# KiCad board RadCheck-SDRAM.kicad_pcb (continued)
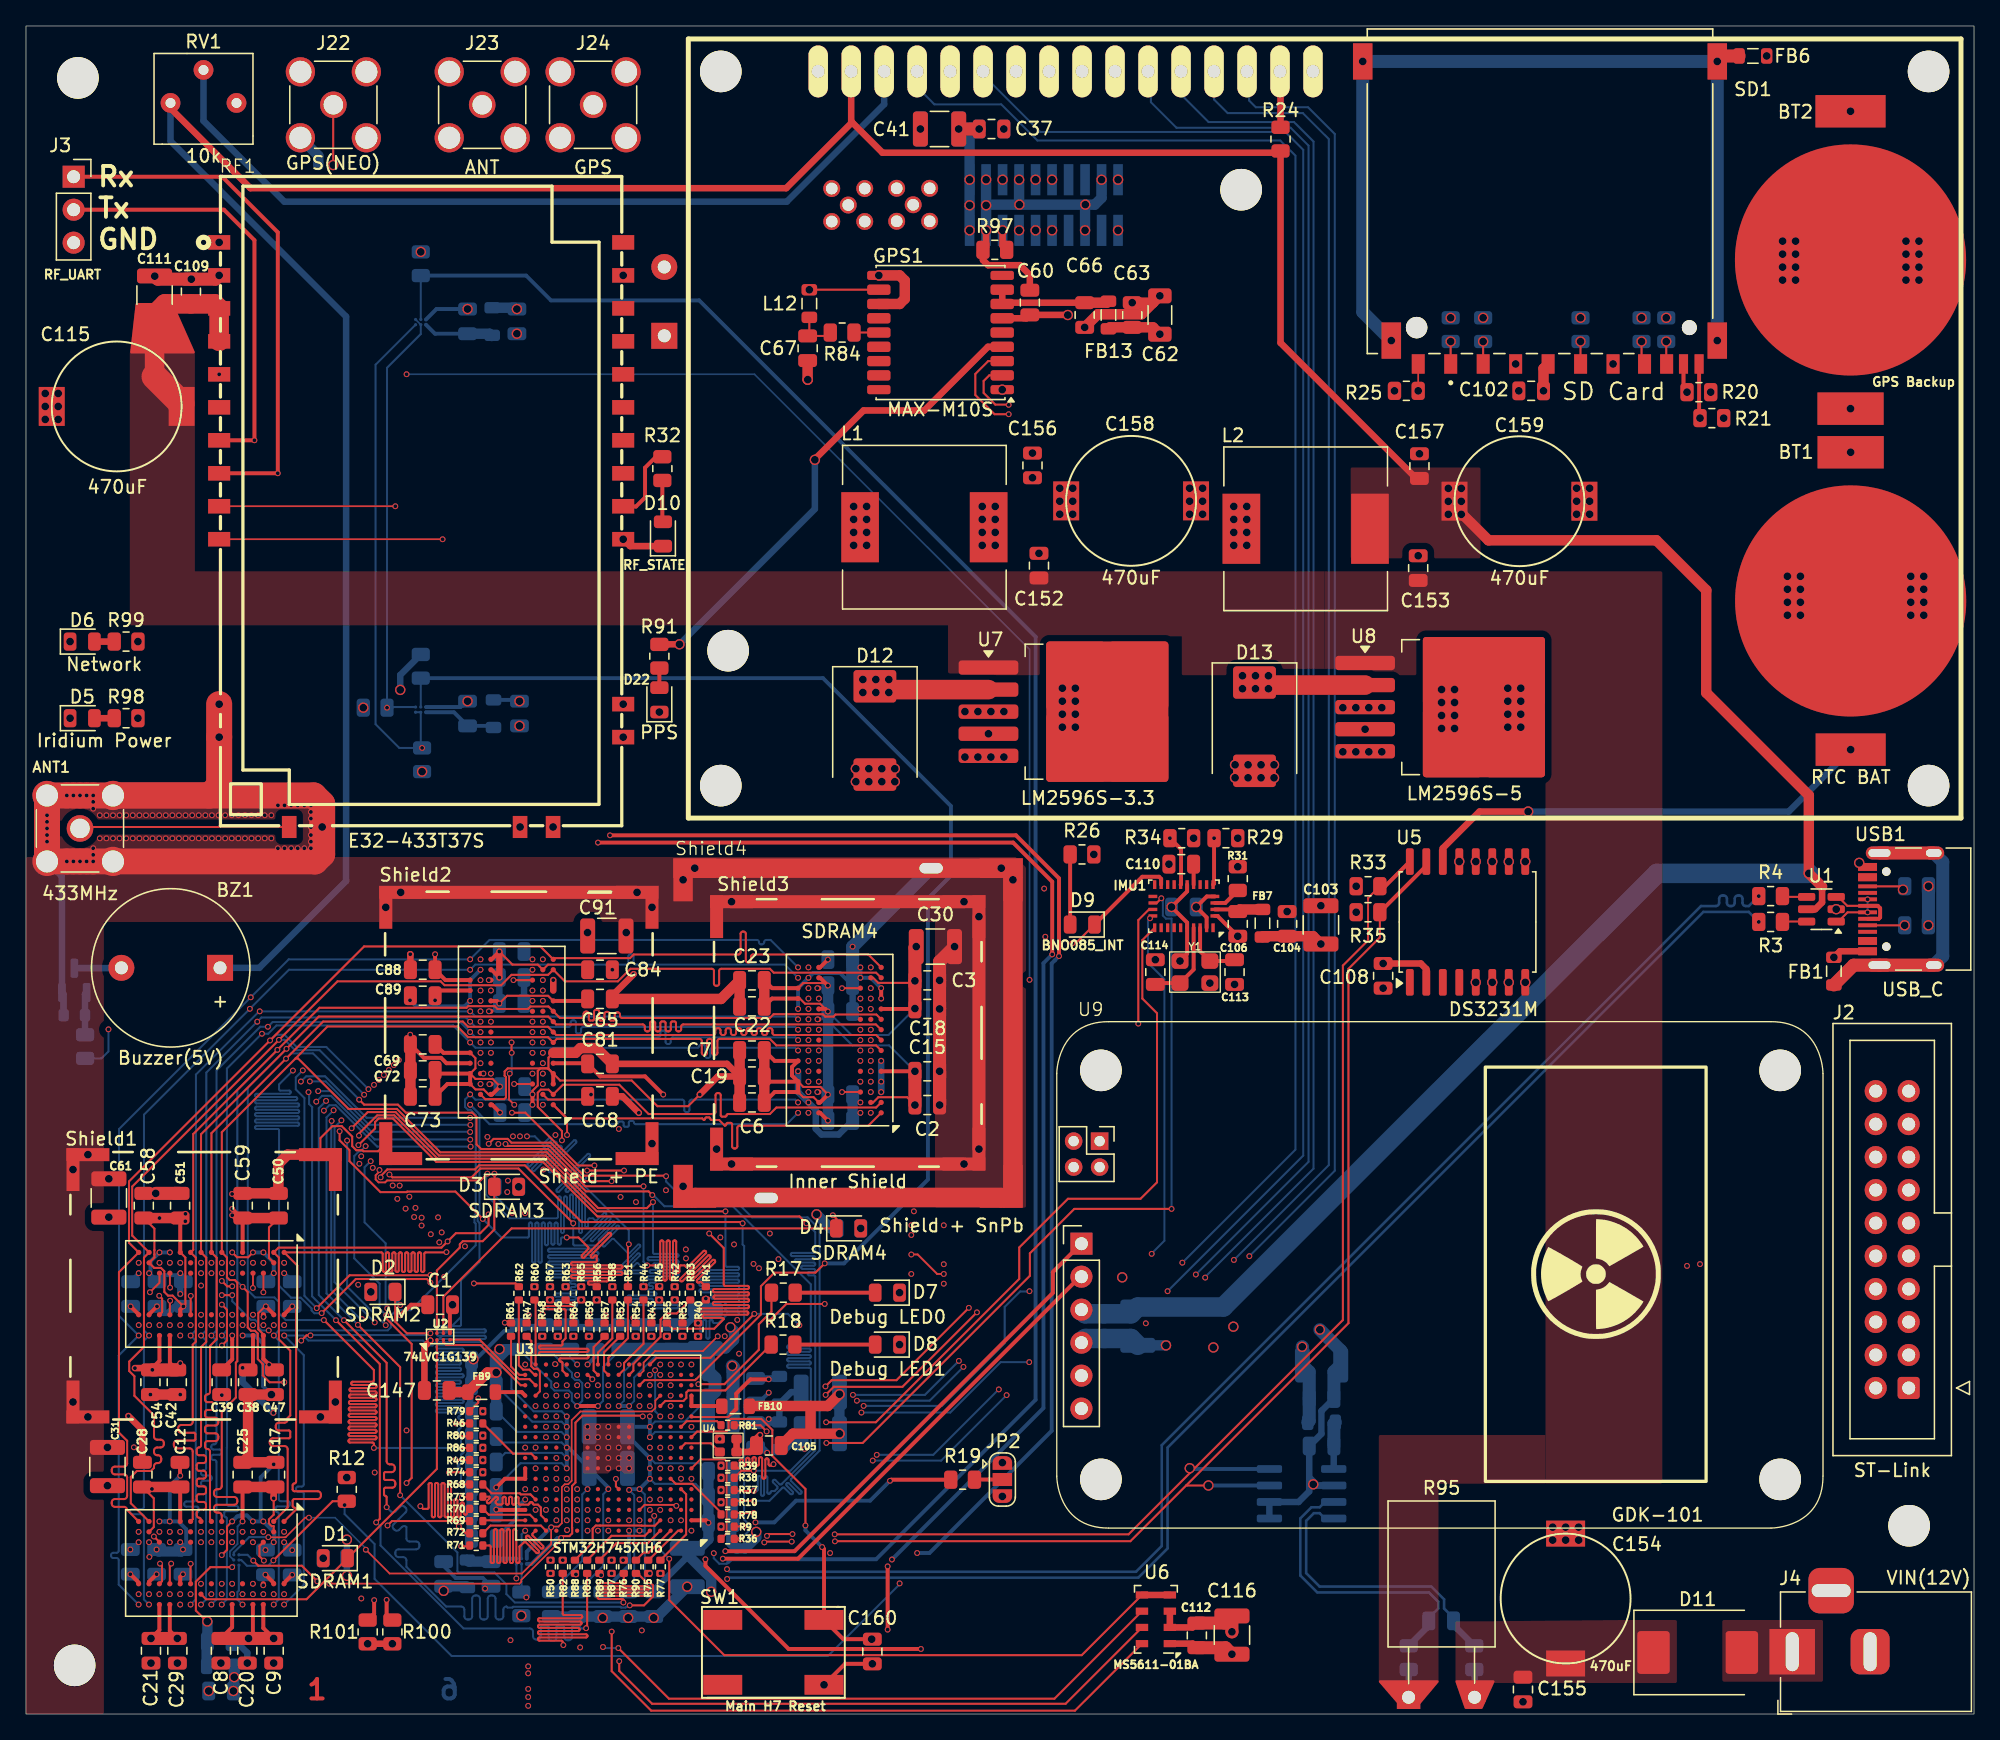
[diagram p0: board, top side]
## Routing (per net, layer and track width the routed paths; a pad name or vN(x,y) marks a point on that pad's centre or on a via; arc(x,y) is an arc through that point) (continued)
+3.3VA: length 12.3
  In4.Cu w0.3: v1(57.19,22.71) 56.6,22.12 v1(51.24,22.12)
  Bottom w0.5: v1(57.19,22.71) 57.41,22.5 FB11.1 FB8.1 58.92,24.79 C120.1 ; C146.1 57.96,22.44
+5V: length 353.9
  Top w0.5: DS1.2 63.54,122.65 63.61,122.58 ; 138.3,63.72 138.3,62.51 137.77,61.98 U1.5 ; 63.61,122.58 65.95,120.24 96.47,120.24 ; 63.61,122.58 58.54,117.51 17.28,117.51 11.13,123.66 ; R24.2 96.6,105.6 107.05,95.15
  Top w0.8: 110.6,92.4 112.61,90.39 125.54,90.39 129.38,86.55 129.38,78.65 137.28,70.75 v2(137.28,64.74) 138.3,63.72
  Top w1: v2(71.82,122.06) v2(73.39,122.06)
  In3.Cu w0.8: v2(103.11,75.84) 104.38,75.84 109.52,80.98 109.52,92.32
  Bottom w0.5: RV1.1 11.13,121.14 24.65,107.62 24.65,64.15 17.96,57.46 BZ1.1
  Bottom w0.8: v2(72.66,114.26) v2(72.66,116.19) v2(72.66,118.16) 72.66,121.98 72.74,122.06
  Bottom w1: v2(73.39,122.06) v2(71.82,122.06)
  Bottom w1.5: v2(137.28,64.74) 125.59,64.74 92.19,31.34 C100.1 85.08,30.82 C101.1 81.57,30.82 81.25,31.14
  vias: v2(109.52,94.39) v2(109.52,93.39) v2(109.52,92.39) v2(110.52,94.39) v2(110.52,93.39) v2(110.52,92.39)
+12V: length 17.8
  Top w1.5: RF1.4 RF1.3 14.53,108.6 C109.1 10.7,108.6 C111.1 9.9,103
  Top w2: 9.9,103 11.98,100.92
  Bottom w0.5: 106.47,1.38 R94.2
GND: length 883.6
  Top w0.157: v1(15.88,35.55) 16.25,35.18 17.11,35.18 v1(17.48,35.55) ; v1(15.09,28.38) 15.47,28.77 15.47,31.14 v1(15.08,31.53) ; v1(15.08,33.35) 15.49,32.94 v1(15.88,32.94) ; v1(39,47.72) 39,48 39.41,48.41 39.41,49.53 39.61,49.73 40.19,49.73 40.23,49.69 ; SDRAM3.D1 41.13,48.79 46.64,48.79 48.62,46.81 50.98,46.81 v1(51.88,47.71) ; SDRAM3.D1 40.23,49.69 ; SDRAM3.D1 40.2,49.72 37.09,49.72 36.86,49.48 36.86,49.16 36.96,49.05 36.96,47.48 36.83,47.35 35.37,47.35 SDRAM3.B8 ; Shield2.1 27.12,43.34 25.99,43.34 25.91,43.42 25.43,43.42 25.12,43.73 25.12,44.47 24.31,45.27 23.59,45.27 22.67,44.35 Shield1.1 ; 40.23,49.69 40.23,50.55 SDRAM3.F1 ; v1(15.07,12.24) 15.48,12.65 15.48,14.44 v1(15.87,14.83)
  Top w0.3: IMU1.10 89.41,63.35 v2(88.21,62.15) 89.41,60.95 IMU1.25 89.41,58.54 v2(88.86,57.99) ; v1(65.85,55.9) v1(65.85,55.1) ; SDRAM3.E9 32.37,50.12 31.96,50.53 30.64,50.53 C69.2 29.6,52.31 v1(29.59,52.32) ; C12.2 11.86,18.37 v1(11.88,18.35) ; v1(39,47.72) v1(39,46.92) ; 65.1,3.87 63.07,3.87 v2(61.45,2.25) ; IMU1.2 91.75,61.46 v2(93.31,59.9) ; SDRAM3.D1 SDRAM3.C1 ; U2.4 v1(31.14,28.78) ; C1.1 29.65,31.52 v1(28.83,30.7) ; v1(15.87,40.05) 16.65,40.05
  Top w0.5: v2(26.31,5.41) v2(28.21,5.41) ; v1(29.59,58.51) 29.6,58.5 C88.2 ; v2(73.93,114.26) 73.93,113 ; v2(139.21,58.27) 139.67,58.74 USB1.A1 ; C60.1 77.3,110.83 76.55,111.58 74.08,111.58 73.69,111.97 R97.1 ; U6.3 U6.2 89.82,6.67 C112.2 ; C68.2 45.92,47.57 v1(47.19,46.3) ; 141.47,65.24 v2(141.16,65.55) ; 31.14,28.75 30.68,28.29 C147.2 ; C81.2 53.98,50.07 C19.2 53.27,49.1 v1(51.88,47.71) ; D10.1 46.52,89.94 v2(45.99,90.47) ; SDRAM3.M1 v1(40.6,56.52) ; v1(7.89,22.95) 8.97,21.87 C28.2 ; 45.15,55.33 v1(46.79,56.97) ; C58.2 v2(9.99,40.1)
  Top w0.8: SDRAM3.F1 42.32,50.92 42.69,51.28 43.94,51.28 C81.2 ; 60.41,21.59 60.41,23.72 ; 60.41,21.59 59.06,21.59 C105.2 ; 60.41,21.59 v2(62.64,21.59) ; 60.41,23.72 61.73,23.72 v2(62.64,24.63) ; 60.41,23.72 55.66,23.72 ; C17.2 C25.2 17.1,19.8 C38.2 C47.2 ; C69.2 C73.2 ; C22.2 C23.2 53.52,55.07 C65.2 ; v2(60.19,102.76) 60.19,102.77 C67.2 ; C6.2 C7.2 ; v1(9.58,24.6) C42.2 ; v2(81.52,106.79) 82.53,107.8 85.89,107.8 86.78,108.69 ; GPS1.12 67.27,108.59 67.67,108.99 67.67,110.39 67.27,110.79 v2(65.67,110.79) ; Shield1.1 20.15,43.08 19.44,42.37 C50.2 C59.2 ; 86.78,108.69 v2(87.31,109.22) ; 86.78,108.69 v2(85.18,108.69)
  Top w1: v2(73.38,43.51) v2(73.38,61.41) ; C109.2 10.15,110.5 v2(9.91,110.73) ; v2(54.33,62.56) v2(72.23,62.56) ; v2(14.88,110.79) 14.58,110.5 v2(12.73,110.5) ; C112.2 92.31,7.01 C116.2 92.86,6.33 v2(92.86,6.33) ; C51.2 v2(9.99,40.1) ; v2(54.33,42.36) v2(72.23,42.36) ; v2(71.5,59.1) 70.35,57.95 v2(70.35,56.5) v2(70.35,54.3) v2(70.35,46.9) v2(70.35,49.5) ; v2(47.05,63.28) v2(28.85,63.28)
  Top w1.5: Shield4.1 51.53,39.78 75.06,39.78 Shield4.1 ; v2(75.1,65.14) v2(51.5,65.14) ; Shield4.1 v2(76,64.24)
  Top w2: ANT1.2 14.14,70.74 14.88,71.48 v2(14.88,75.23) v2(14.88,77.77) ; ANT1.2 v1(5.18,70.74) v1(4.67,70.74) v1(4.16,70.74) v1(3.65,70.74) v1(3.14,70.74) ANT1.2 v1(1.62,69.22) v1(1.62,68.71) v1(1.62,68.2) v1(1.62,67.69) v1(1.62,67.18) ANT1.2 v1(3.14,65.66) v1(3.65,65.66) v1(4.16,65.66) v1(4.67,65.66) v1(5.18,65.66) ANT1.2 22.26,65.66 22.81,66.21 v2(22.81,68.31) 22.81,70.09 22.16,70.74 ANT1.2
  In1.Cu w0.127: SBD1.23 71.76,117.5 72.09,117.17 73.49,117.17 73.93,116.73 v2(73.93,116.19) 73.99,116.13 73.99,115.5 73.71,115.22 71.93,115.22 71.67,114.96 SBD1.23 ; v2(73.93,118.16) 73.93,119.8 72.61,121.12 72.61,123.15 71.16,124.6
  In1.Cu w0.142: v1(50.44,14.92) 51.52,16 51.52,17.84 v1(51.24,18.12) ; v1(40.04,22.92) v1(39.24,23.72) 39.24,26.12 v1(38.44,26.92) ; v1(43.24,22.12) 42.85,22.51 42.85,25.71 v1(42.44,26.12) ; v1(44.84,22.12) 45.25,22.53 45.25,24.93 v1(45.64,25.32) 46.03,24.93 46.03,20.91 v1(45.64,20.52)
  In1.Cu w0.157: v1(40.04,22.92) 40.43,22.53 42.83,22.53 v1(43.24,22.12) ; v1(45.64,20.52) 46.05,20.11 49.23,20.11 v1(49.64,20.52) ; v1(44.04,22.12) 43.65,21.73 40.43,21.73 v1(40.04,22.12) ; v1(44.04,15.72) 43.65,16.11 43.65,16.67 43.4,16.91 42.07,16.91 42.05,16.89 ; v1(44.04,15.72) 44.45,16.13 44.45,18.53 v1(44.84,18.92) ; v1(44.04,15.72) 44.45,15.31 46.85,15.31 v1(47.24,14.92) ; v1(49.64,20.52) 49.64,21.79 48.9,22.53 45.25,22.53 ; v1(49.64,20.52) 49.53,20.63 49.53,21.25 49.07,21.71 45.23,21.71 v1(44.84,21.32) ; v1(49.64,20.52) 49.25,20.91 45.23,20.91 v1(44.84,20.52) ; v1(46.44,18.92) 46.83,18.53 50.03,18.53 v1(50.44,18.12) ; 42.05,16.89 42.05,18.53 v1(44.04,20.52) 43.65,20.13 39.63,20.13 v1(39.24,20.52) ; 42.05,16.89 42.05,16.13 v1(41.64,15.72) 41.25,15.33 39.63,15.33 v1(39.24,15.72) 38.85,16.11 38.85,18.53 v1(39.24,18.92) ; v1(50.44,18.92) 50.05,19.31 46.05,19.31 v1(45.64,19.72) ; v1(48.84,25.32) 48.43,25.73 47.88,25.73 47.61,25.99 47.61,27.29 47.72,27.4 ; v1(40.04,21.32) 40.43,20.93 43.65,20.93 v1(44.04,21.32)
  In1.Cu w0.3: v1(15.88,35.55) 15.42,36.02 15.42,39.59 v1(15.87,40.05) ; v1(9.48,33.95) v1(8.68,33.95) ; v2(54.38,26.81) 54.27,26.92 v1(51.24,26.92) 50.76,27.4 47.72,27.4 v1(45.64,25.32) 44.52,26.44 42.76,26.44 v1(42.44,26.12) ; v1(28.83,30.7) 29.1,30.7 31.02,28.78 v1(31.14,28.78)
  In1.Cu w0.5: 57.57,18.01 56.69,18.89 56.69,19.74 v1(57.07,20.12) ; 57.57,18.01 59.57,18.01 62.64,21.08 v2(62.64,21.59) 62.64,20.11 56.56,14.03 v2(56.23,14.03) ; 57.57,18.01 55.26,18.01 54.9,18.37 54.9,20.19 53.91,21.18 v1(53.41,21.18) 51.24,19 v1(51.24,18.12)
  In2.Cu w0.3: v1(29.57,54.96) 29.59,54.94 v1(29.59,52.32)
  In3.Cu w0.157: v1(15.08,24.56) 14.69,24.95 14.69,27.98 v1(15.09,28.38) ; v1(15.08,33.35) 13.84,33.35 v1(13.48,33) ; v1(15.08,31.53) 15.49,31.94 15.49,32.55 v1(15.88,32.94)
  In3.Cu w0.3: v1(39,57.32) v1(39,58.12)
  In3.Cu w0.5: v1(47.19,46.3) 50.47,46.3 v1(51.88,47.71)
  In4.Cu w0.157: v1(13.48,33) 12.53,33 v1(11.88,32.35)
  In4.Cu w0.3: v1(57.19,24.75) 58.14,25.69 61.89,25.69 62.64,24.95 v2(62.64,24.63) ; v1(9.58,24.6) 10.2,25.22 10.2,29.23 v1(9.48,29.95) ; v1(51.24,14.12) v1(50.44,14.92) ; v1(35,57.32) v1(39,57.32) 39.8,57.32 v1(40.6,56.52) ; 29.84,32.73 29.4,32.73 28.36,31.69 28.36,31.18 v1(28.83,30.7) ; v1(19.08,29.95) 19.88,30.75 v1(19.88,33.95) v1(19.08,33.95) ; v1(11.88,24.6) 11.88,25.27 12.34,25.74 12.34,27.21 11.88,27.68 v1(11.88,29.15)
  Bottom w0.157: Temp1.B2 38.16,13.84 v1(38.44,14.12) ; Temp1.A1 37.76,10.45 v1(37.76,10.44) ; v1(16.67,8.43) 16.28,8.83 16.28,9.39 16.39,9.5 16.39,11.45
  Bottom w0.3: v1(39,54.92) 38.55,54.92 ; 20.5,33.33 v1(19.88,33.95) ; 10.68,14.83 v1(11.07,14.83) 11.07,17.55 v1(11.88,18.35) ; 10.68,14.83 v1(10.27,14.83) ; 10.68,14.83 11.73,14.83 12.34,14.22 12.34,12.92 ; v1(18.27,14.83) v1(17.47,14.83) 17.01,15.3 16.48,15.3 16.41,15.23 16.27,15.23 v1(15.87,14.83) ; v1(18.27,14.83) 19.13,13.98 19.13,13.28 v1(19.07,13.23) 18.47,12.63 ; v1(18.27,14.83) 18.07,15.03 18.07,18.23 v1(19.07,19.23) ; v1(16.68,29.15) 17.63,29.15 18.26,28.52 18.26,27.59 18.26,27.59 18.26,25.24 v2(18.9,24.6) ; v1(17.48,35.55) v1(18.28,35.55) 19.08,34.75 v1(19.08,33.95) 18.47,33.34 ; C118.2 37.46,29.49 36.82,29.49 34.66,27.32 ; 32.16,11.4 33.09,10.48 35.17,10.48 C94.2 ; 10.06,12.66 v1(9.5,12.1) ; v1(35,57.32) 34.2,56.52 v1(34.2,54.92) 33.78,54.5 30.04,54.5 v1(29.57,54.96) ; 56.39,23.94 v1(57.19,24.75) ; 10.09,33.34 v1(9.48,33.95) ; 8.06,33.33 v1(8.68,33.95) ; v1(11.08,35.55) v1(10.28,35.55) 9.59,34.86 9.59,33.79 C55.2 10.59,33.79 11.62,33.79 C46.2 12.12,33.71 v1(11.88,33.95) ; C10.2 62.69,57.06 60.61,57.06 v1(60.25,56.7) 59.45,55.9 v1(59.45,54.3) ; Temp3.A1 33.45,77.55 v2(34,78) ; 12.09,13.02 v1(11.87,13.23) ; 8.11,12.67 v1(8.67,13.23) ; v1(64.25,57.5) v1(64.25,56.7) 65.05,56.7 v1(65.85,55.9) ; 20.49,12.62 v1(19.87,13.23) ; 10.04,12.67 v1(9.47,13.23) ; Temp4.A1 31.61,108.2 v2(34,108.2)
  Bottom w0.5: 98.81,18.23 98.81,17.15 97.99,16.33 U10.2 U10.1 ; 98.81,18.23 99.44,17.6 U10.6 99.21,17.6 v2(99.12,17.69) ; 98.81,18.23 C52.2 99.75,21.58 99.75,23.34 C53.2 ; v1(65.85,48.7) v1(65.85,47.9) v1(65.85,50.3) ; C27.2 62.58,44.63 61.25,44.63 60.81,45.07 60.81,46.53 v1(60.25,47.1) 59.45,47.9 v1(59.45,49.5) ; 51.95,31.11 50.83,29.99 C119.2 ; v1(11.88,32.35) 11.88,33.05 ; 34.31,24.81 34.2,24.7 34.2,23.44 ; R93.1 2.89,55.44 Q1.2 2.77,63.52 2.75,63.54 2.75,64.53 ANT1.2 ; v1(57.07,20.12) 56.64,20.54 ; C95.2 16.19,5.57 17.04,4.72 v2(17.04,3.92) ; 38.15,29.8 49.53,29.8 ; C76.2 C77.2 ; C10.2 C11.2
  Bottom w0.8: C100.2 87.77,28.39 v2(87.78,28.39) ; 48.62,7.51 v2(50.91,9.81) ; C134.2 54.45,14.39 54.3,14.25 54.3,13.17 54.72,12.75 55.38,12.75 56.23,13.6 v2(56.23,14.03) ; 34.38,27.25 v2(34.45,27.32) ; v2(73.93,118.16) 73.93,116.24 ; 73.93,116.24 v2(73.93,116.19) v2(73.93,114.26) ; 73.93,116.24 76.35,116.24 ; 81.65,116.24 82.3,116.24 82.82,116.76 v2(82.82,118.16) ; 81.65,116.24 v2(81.57,116.24) v2(76.49,116.24) 76.35,116.24 ; 81.65,116.24 81.55,116.14 v2(81.55,114.26) ; C27.2 C14.2 ; 76.35,116.24 76.47,116.36 v2(76.47,118.16) ; D21.1 22.51,120.01 J22.2 ; C126.2 C117.1 ; 54.41,18.65 54.41,14.77 ; v1(10.06,12.67) 10.21,12.52 11.94,12.52 v1(12.09,12.67) ; C142.2 C141.2 ; C127.1 C125.2 ; v2(62.64,21.59) v2(62.64,24.63)
  Bottom w1: C144.2 C145.2 C137.2 54.45,26.74 v2(54.38,26.81) ; C10.2 C26.2 v1(63.65,59.1) Shield4.1 ; C53.2 100.71,26.35 C56.2 101.23,28 v2(99.63,29.6) ; v2(146.49,63.75) 146.49,60.74
  Bottom w1.5: C100.2 85.08,28.92 C101.2 81.57,28.92 81.25,28.6
  vias: v1(5.17,70.25) v1(5.18,69.72) v1(5.18,66.68) v1(5.18,66.17) v1(5.68,69.22) v1(5.68,67.44) v1(6.19,69.22) v1(6.19,67.44) v1(6.7,69.22) v1(6.7,67.44) v1(7.21,69.22) v1(7.21,67.44) v1(7.72,69.22) v1(7.72,67.44) v1(8.03,12.67) v1(8.22,69.22) v1(8.22,67.44) v1(8.73,69.22) v1(8.73,67.44) v1(9.24,69.22) v1(9.24,67.44) v1(9.47,9.23) v1(9.75,69.22) v1(9.75,67.44) v1(10.26,69.22) v1(10.26,67.44) v1(10.76,69.22) v1(10.76,67.44) v1(11.27,69.22) v1(11.27,67.44) v1(11.78,69.22) v1(11.78,67.44) v1(11.87,8.43) v1(12.29,69.22) v1(12.29,67.44) v1(12.8,69.22) v1(12.8,67.44) v1(13.3,69.22) v1(13.3,67.44) v1(13.81,69.22) v1(13.81,67.44) v1(14.32,69.22) v1(14.32,67.44) v1(14.83,69.22) v1(14.83,67.44) v1(15.34,69.22) v1(15.34,67.44) v1(15.84,69.22) v1(15.84,67.44) v1(16.35,69.22) v1(16.35,67.44) v1(16.86,69.22) v1(16.86,67.44) v1(17.37,69.22) v1(17.37,67.44) v1(17.88,69.22) v1(17.88,67.44) v1(18.38,69.22) v1(18.38,67.44) v1(18.44,12.63) v1(18.89,69.22) v1(18.89,67.44) v1(19.07,9.23) v1(19.4,69.98) v1(19.4,66.68) v1(19.91,69.98) v1(19.91,66.68) v1(20.42,69.98) v1(20.42,66.68) v1(20.5,12.62) v1(20.92,69.98) v1(20.92,66.68) v1(21.43,69.98) v1(21.43,66.68) v1(21.94,69.98) v1(21.94,69.47) v1(21.94,68.96) v1(21.94,68.3) v1(21.94,67.69) v1(21.94,67.18) v1(21.94,66.68) v1(35.35,9.66) v1(38.44,20.52) v1(43.24,21.32) v1(44.84,19.72) v1(45.15,57.32) v1(45.64,18.92) v1(46.44,19.72) v1(64.25,54.3) v1(64.25,47.1) v1(64.25,46.3) v1(86.23,30.09) v2(1.48,101.7) v2(1.48,100.7) v2(1.48,99.7) v2(2.48,101.7) v2(2.48,100.7) v2(2.48,99.7) v2(3.39,82.59) v2(3.39,76.69) v2(3.62,41.93) v2(3.62,24.03) v2(4.77,43.08) v2(4.77,22.88) v2(6.27,20.53) v2(6.38,41.22) v2(9.63,3.92) v2(11.66,3.92) v2(14.07,1.77) v2(14.88,113.33) v2(15.01,3.92) v2(19.07,3.92) v2(22.67,22.88) v2(23.82,24.03) v2(27.7,62.13) v2(37.8,106.3) v2(38,76.1) v2(38.05,68.31) v2(40.59,68.31) v2(44.41,7.41) v2(45.99,110.79) v2(45.99,77.77) v2(45.99,75.23) v2(46.22,60.18) v2(46.37,7.41) v2(48.2,62.13) v2(48.2,43.93) v2(48.34,7.41) v2(48.77,77.16) v2(50.6,64.24) v2(50.6,40.64) v2(53.18,43.51) v2(63.9,72.8) v2(63.9,71.8) v2(64.9,72.8) v2(64.9,71.8) v2(65.17,3.87) v2(65.9,72.8) v2(65.9,71.8) v2(66.9,72.8) v2(66.9,71.8) v2(67.27,32.45) v2(67.27,28.45) v2(68.87,122.06) v2(72.3,77.2) v2(72.3,73.7) v2(73.3,77.2) v2(73.3,73.7) v2(74.3,77.2) v2(74.3,73.7) v2(75.17,101.99) v2(75.18,16.76) v2(75.3,122.06) v2(75.3,77.2) v2(75.3,73.7) v2(77.5,97.11) v2(78,89.39) v2(79.8,79) v2(79.8,78) v2(79.8,77) v2(79.8,76) v2(80.8,79) v2(80.8,78) v2(80.8,77) v2(80.8,76) v2(84.41,33.63) v2(86.96,58.09) v2(88.01,65.45) v2(89.6,94.4) v2(89.6,93.4) v2(89.6,92.4) v2(90.6,94.4) v2(90.6,93.4) v2(90.6,92.4) v2(91.16,56.29) v2(91.43,28.23) v2(92.97,29.83) v2(93.1,73.1) v2(93.1,72.1) v2(93.06,56.19) v2(94.1,73.1) v2(94.1,72.1) v2(95.1,73.1) v2(95.1,72.1) v2(96.1,73.1) v2(96.1,72.1) v2(97.11,61.8) v2(99.71,62.25) v2(101.4,77.5) v2(101.4,74.1) v2(102.4,77.5) v2(102.4,74.1) v2(103.4,77.5) v2(103.4,74.1) v2(104.4,77.5) v2(104.4,74.1) v2(104.5,55.9) v2(107.2,89.2) v2(107.3,97.05) v2(109,78.9) v2(109,77.9) v2(109,76.9) v2(109,75.9) v2(110,78.9) v2(110,77.9) v2(110,76.9) v2(110,75.9) v2(110.37,65.65) v2(111.63,65.65) v2(111.63,56.35) v2(112.91,65.65) v2(112.91,56.35) v2(114.1,79) v2(114.1,78) v2(114.1,77) v2(114.1,76) v2(114.17,65.65) v2(114.17,56.35) v2(114.7,103.97) v2(114.95,101.9) v2(115.1,79) v2(115.1,78) v2(115.1,77) v2(115.1,76) v2(115.27,0.94) v2(115.44,65.65) v2(115.44,56.35) v2(117.56,14.39) v2(117.56,13.39) v2(118.56,14.39) v2(118.56,13.39) v2(119.4,94.4) v2(119.4,93.4) v2(119.4,92.4) v2(119.56,14.39) v2(119.56,13.39) v2(120.4,94.4) v2(120.4,93.4) v2(120.4,92.4) v2(122.2,103.97) v2(134.03,127.69) v2(135.26,113.43) v2(135.26,112.43) v2(135.26,111.43) v2(135.26,110.43) v2(135.63,87.62) v2(135.63,86.62) v2(135.63,85.62) v2(135.63,84.62) v2(136.26,113.43) v2(136.26,112.43) v2(136.26,111.43) v2(136.26,110.43) v2(136.63,87.62) v2(136.63,86.62) v2(136.63,85.62) v2(136.63,84.62) v2(139.39,61.98) v2(144.76,113.43) v2(144.76,112.43) v2(144.76,111.43) v2(144.76,110.43) v2(145.13,87.62) v2(145.13,86.62) v2(145.13,85.62) v2(145.13,84.62) v2(145.76,113.43) v2(145.76,112.43) v2(145.76,111.43) v2(145.76,110.43) v2(146.13,87.62) v2(146.13,86.62) v2(146.13,85.62) v2(146.13,84.62) v2(146.48,60.74)
/Power/INA_N: length 22
  Bottom w0.2: 100.02,16.33 99.61,15.92 98.98,15.92 98.12,15.06 98.12,10.67 99.43,9.37 108.03,9.37 108.74,8.65 108.74,8.13 108.02,7.4
  Bottom w0.5: 108.02,6.8 R94.1
/Power/INA_P: length 21.3
  Bottom w0.2: 100.02,15.06 99.61,15.47 99.17,15.47 98.58,14.88 98.58,10.85 99.61,9.81 108.21,9.81 109.19,8.83 109.19,8.13 109.92,7.4
  Bottom w0.5: 109.92,6.85 R96.2
AS6221_SCL: length 188
  Top w0.127: 47.43,22.98 v1(47.49,22.92) ; v1(23.36,10.04) 38,10.04 38.14,10.18 38.14,10.33 41.21,13.4 v1(41.21,13.56)
  Top w0.157: v1(41.21,13.56) 41.35,13.7 41.84,13.7 42.06,13.92 42.06,14.35 42.05,14.36 42.05,17.57 42.31,17.83 42.31,22.44 42.85,22.98 47.43,22.98 ; v1(22.43,10.23) 21.24,11.42 17.89,11.42 v1(17.5,11.81)
  In3.Cu w0.157: v1(47.49,22.92) 47.49,22.93 47.88,23.31 48.19,23.31 48.43,23.56 48.43,23.88 48.68,24.13 49.25,24.13 v1(49.64,24.52)
  In3.Cu w0.3: v1(27.8,77.5) 27.8,66.19 26.53,64.92 19.2,64.92 2.4,48.12 2.4,11 6.94,6.46 20.11,6.46 23.36,9.72 v1(23.36,10.04)
  Bottom w0.127: v1(23.36,10.04) 22.62,10.04 v1(22.43,10.23)
  Bottom w0.129: Temp4.C1 Temp4.B2
  Bottom w0.157: Temp3.C1 27.85,77.55 ; Temp2.C1 17.06,12.26 v1(17.5,11.81) ; Temp4.B2 30.4,106.28 27.8,103.68 v1(27.8,77.5)
  Bottom w0.3: Temp1.C1 38.93,11.56 40.93,13.56 v1(41.21,13.56)
AS6221_SDA: length 195.9
  Top w0.127: v1(18.66,13.62) 18.67,13.61 19.99,13.61 21.5,15.12 v1(21.79,15.12) ; U3.P4 48.46,24.14 48.46,23.57 48.19,23.3 42.69,23.3 42.02,22.63 42.02,17.96 41.75,17.7 41.48,17.7 41.26,17.48 41.26,14.69 41,14.44 40.49,14.44 v1(40.44,14.38) 40.44,13.08 38.18,10.82 28,10.82 v1(26.17,12.65)
  In3.Cu w0.3: v1(21.79,15.12) 21.97,14.94 21.97,9.04 20.7,7.77 6.83,7.77 2.98,11.62 2.98,48.02 19.28,64.32 27.32,64.32 29.15,66.14 29.15,73.05 v1(30.5,74.4)
  Bottom w0.127: v1(26.17,12.65) 26.17,12.75 23.8,15.12 v1(21.79,15.12)
  Bottom w0.157: v1(30.5,74.4) 28.74,74.4 26.92,76.23 26.92,103.91 Temp4.C2 ; v1(18.66,13.62) 18.65,13.63 17.19,13.63 16,12.44 Temp2.C2 ; Temp3.C2 Temp3.B2 30.4,74.5
  Bottom w0.3: v1(40.44,14.38) 38.56,12.5 Temp1.C2
Barometer_CS: length 53.2
  Top w0.157: U6.5 81.29,4.53 53.77,4.53 49.53,8.77 v1(49.53,11.95)
  Top w0.5: U6.5 U6.4
  In4.Cu w0.157: v1(44.84,14.12) 45.25,14.53 47.65,14.53 v1(48.38,15.26)
  Bottom w0.157: v1(48.38,15.26) 48.38,13.1 v1(49.53,11.95)
Barometer_MISO: length 55.5
  Top w0.157: U6.6 79.19,1.18 49.51,1.18 v1(45.61,5.08)
  In2.Cu w0.157: v1(44.43,5.16) 44.42,5.17 44.42,6.59 43.84,7.17 43.84,7.64 44.07,7.87 44.07,10.35 43.89,10.53 43.89,10.85 44.17,11.13 44.17,13.99 v1(44.04,14.12)
  Bottom w0.157: v1(45.61,5.08) 44.51,5.08 v1(44.43,5.16)
Barometer_MOSI: length 58.3
  Top w0.157: v1(45.68,4.07) 45.68,3.32 48.21,0.79 80.05,0.79 U6.7
  In2.Cu w0.157: v1(43.24,15.72) 43.63,15.33 43.63,13.09 43.52,12.98 43.52,4.49 43.94,4.07 v1(45.68,4.07)
Barometer_SCK: length 56.3
  Top w0.157: U6.8 80.77,0.26 48.14,0.26 45.1,3.3 v1(45.1,6.35)
  In2.Cu w0.157: v1(45.1,6.35) 45.1,10.26 44.7,10.67 44.7,13.42 44.45,13.67 44.45,14.53 v1(44.84,14.92)
BNO085_CS: length 99.1
  Top w0.157: v1(85.65,53.17) 85.65,61.14 86.47,61.96 86.98,61.96
  In2.Cu w0.157: v1(47.42,6.44) 47.42,8.98 46.83,9.57 46.83,14.53 v1(46.44,14.92)
  In3.Cu w0.157: v1(85.65,53.17) 85.65,13.86 82.74,10.95 62.91,10.95 58.4,6.44 v1(47.42,6.44)
BNO085_INT: length 65.4
  Top w0.157: v1(80.57,59.36) 80.83,59.36 D9.1 ; v1(57.19,30.23) 58.55,31.58 v1(61.5,31.58)
  Top w0.3: IMU1.14 87.41,64.32 87.25,64.48 85.95,64.48 D9.1
  In3.Cu w0.157: v1(80.57,59.36) 78.91,59.36 73.71,54.16 73.71,45.27 61.5,33.07 v1(61.5,31.58)
  In4.Cu w0.157: v1(57.19,30.23) 55.66,28.7 49.98,28.7 48.44,27.16 v1(48.44,26.48)
  Bottom w0.157: v1(48.44,26.48) 48.45,26.48 48.45,23.31 v1(48.84,22.92)
BNO085_MISO: length 67.5
  Top w0.157: v1(61.61,22.47) 65.44,22.47 76.48,33.51 76.48,35.93 80.23,39.68 85.82,39.68 87.09,40.95 87.09,53.97 85.96,55.1 85.96,59.6 IMU1.20
  In4.Cu w0.157: v1(49.64,22.92) 50.06,23.34 60.74,23.34 v1(61.61,22.47)
BNO085_MOSI: length 72.6
  Top w0.157: IMU1.17 87.06,62.46 v1(87.42,62.82) ; v1(88.21,38.9) 80.72,38.9 77.3,35.48 77.3,33.75 64.42,20.88 v1(61.63,20.88)
  In1.Cu w0.157: v1(61.63,20.88) 59.4,23.11 50.63,23.11 v1(50.44,22.92)
  Bottom w0.157: v1(88.21,38.9) 88.21,61.26 87.78,61.26 87.54,61.49 87.54,62.71 v1(87.42,62.82)
BNO085_PS0: length 72.7
  Top w0.3: IMU1.6 91.48,63.95 v1(91.48,67.45)
  In2.Cu w0.157: v1(91.48,67.45) 90.53,66.5 85.13,66.5 v1(78.49,59.86)
  In3.Cu w0.157: v1(57.94,35.03) 58.01,35.1 62.69,35.1 63.62,36.03 63.62,38.7 64.08,39.16 65.81,39.16 72.76,46.11 72.76,54.13 v1(78.49,59.86)
  In4.Cu w0.157: v1(48.84,26.12) 49.23,26.51 49.23,27.08 50.52,28.37 55.89,28.37 57.94,30.42 v1(57.94,35.03)
BNO085_RST: length 71.1
  Top w0.3: IMU1.11 88.94,63.91 88.94,66.59 v1(88.08,67.45)
  In2.Cu w0.157: v1(88.08,67.45) 79.58,67.45 78.4,66.27 v1(78.4,63.57)
  In3.Cu w0.157: 51.11,28.05 49.97,28.05 v1(48.84,26.92) ; 51.11,28.05 51.28,28.05 ; 51.11,28.05 51.27,28.05 53.57,30.35 v1(54.77,30.35) ; v1(78.4,63.57) 78.4,60.8 72.08,54.48 72.08,46.4 65.31,39.63 63.89,39.63 63.21,38.95 63.21,36.18 62.61,35.58 57.69,35.58 v1(56.44,34.33)
  In4.Cu w0.157: v1(56.44,34.33) 54.77,32.66 v1(54.77,30.35)
BNO085_SCK: length 107.5
  Top w0.157: 86.73,61.46 v1(86.55,61.28)
  In2.Cu w0.157: v1(42.67,5.13) 42.11,5.13 41.49,5.75 41.49,11.45 42.44,12.4 v1(42.44,14.92)
  In3.Cu w0.157: v1(42.67,5.13) 43.12,5.58 58.28,5.58 63.27,10.57 83.73,10.57 86.68,13.52 v1(86.68,35.44)
  Bottom w0.157: v1(86.68,35.44) 86.68,35.47 87.66,36.45 87.66,56.59 86.39,57.85 86.39,61.12 v1(86.55,61.28)
BOOT0: length 29.7
  Top w0.157: v1(45.42,18.11) 45.42,17.53 U3.E8
  Top w0.3: v1(66.53,17.96) 66.62,18.05 R19.2
  In4.Cu w0.157: v1(56.17,14.76) 55.81,15.12 52.39,15.12 49,18.51 45.83,18.51 v1(45.42,18.11)
  Bottom w0.3: v1(56.17,14.76) 57.62,14.76 59.29,16.43 65,16.43 v1(66.53,17.96)
Buzzer: length 104.5
  Top w0.157: 43.27,26.12 v1(43.61,25.78)
  In2.Cu w0.157: v1(43.61,25.78) 43.63,25.76 43.63,25.16 43.39,24.91 40.67,24.91 40.45,24.69 40.45,24.36 40.2,24.11 39.88,24.11 39.63,23.87 39.63,19.91 35.75,16.03 35.75,15.1 34.66,14.01 30.44,14.01 25.82,9.39 v1(25.82,8.9)
  In3.Cu w0.157: v1(6.35,52.73) 6.33,52.73 1.82,48.22 1.82,10.57 7.15,5.24 22.13,5.24 25.79,8.9 v1(25.82,8.9)
  Bottom w0.157: R92.1 5.81,50.49 6.35,51.03 v1(6.35,52.73)
D4: length 151.9
  Top w0.157: v1(61.57,24.58) 62.2,25.2 67.49,25.2 v1(73.22,30.94)
  In1.Cu w0.157: v1(49.64,26.92) 52.45,24.11 61.11,24.11 v1(61.57,24.58)
  In4.Cu w0.157: v1(73.22,30.94) 74.47,32.18 77.1,32.18 77.11,32.17 77.43,32.17 77.44,32.18 87.73,32.18 87.74,32.17 88.07,32.17 88.08,32.18 88.41,32.18 v1(90.08,33.85)
  Bottom w0.157: v1(90.08,33.85) 98.76,42.53 98.76,120.78 97.38,122.16 88.59,122.16 86.62,124.13 86.62,126.28
D5: length 148.9
  In1.Cu w0.157: v1(49.64,26.12) 52.04,23.72 62.82,23.72 v1(63.68,24.58)
  In4.Cu w0.157: v1(90.8,33.61) 86.81,29.62 74.26,29.62 v1(71.83,27.19)
  Bottom w0.157: v1(90.8,33.61) 90.8,33.66 99.14,42 99.14,121.1 97.64,122.6 91.06,122.6 88.94,124.72 ; v1(71.83,27.19) 69.22,24.58 v1(63.68,24.58)
D6: length 152.3
  In4.Cu w0.157: v1(49.64,25.32) 50.9,24.06 63.91,24.06 v1(63.98,24.13) ; v1(93.01,34.97) 93.01,31.06 89.53,27.58 73.03,27.58 v1(72.19,26.73)
  Bottom w0.157: v1(72.19,26.73) 69.58,24.13 v1(63.98,24.13) ; DS1.13 91.48,124.34 92.53,123.29 98.32,123.29 100.32,121.29 100.32,42.28 v1(93.01,34.97)
D7: length 154.1
  In1.Cu w0.157: v1(64.33,23.22) 64.19,23.35 51.35,23.35 51.35,23.37 49.8,24.91 48.45,24.91 v1(48.04,25.32)
  In4.Cu w0.157: v1(94.2,35.26) 94.2,29.89 91.41,27.1 v1(77.25,27.1)
  Bottom w0.157: v1(64.33,23.22) 71.17,23.22 75.05,27.1 v1(77.25,27.1) ; 94.18,126.34 94.18,124.26 94.7,123.74 98.72,123.74 100.78,121.68 100.78,41.84 v1(94.2,35.26)
d+: length 3.5
  Top w0.157: v1(141.81,61.74) 140.26,61.74 139.55,61.03
  Bottom w0.157: v1(141.81,61.74) v1(141.81,62.74)
D+: length 127.7
  In4.Cu w0.135: v1(39.24,17.32) 38.83,17.73 38.06,17.73 37.42,17.1 37.42,16.17 40.87,12.72 49.35,12.72 51.51,10.56 53.83,10.56 v1(53.99,10.4)
  Bottom w0.2: v1(53.99,10.4) 54.09,10.5 85.65,10.5 87.91,12.76 87.91,20.52 129.16,61.77 132.65,61.77 v1(133.42,61)
d-: length 5.3
  Top w0.157: USB1.A7 140.24,62.24 139.55,62.93
  Top w0.3: USB1.A7 142.59,62.24 142.77,62.06 142.77,61.35 142.66,61.24 USB1.B7
D-: length 127.7
  In4.Cu w0.135: v1(38.44,17.32) 38.28,17.32 37.88,16.92 37.88,16.35 41.05,13.17 49.53,13.17 51.7,11.01 53.83,11.01 v1(53.98,11.16)
  Bottom w0.2: v1(133.42,62.99) 132.66,62.22 132.41,62.22 arc(132.24,62.3) 132.17,62.46 132.17,62.79 arc(132.1,62.96) 131.93,63.03 131.81,63.03 arc(131.64,62.96) 131.57,62.79 131.57,62.46 arc(131.5,62.3) 131.33,62.22 131.21,62.22 arc(131.04,62.3) 130.97,62.46 130.97,62.79 arc(130.9,62.96) 130.73,63.03 130.61,63.03 arc(130.44,62.96) 130.37,62.79 130.37,62.46 arc(130.3,62.3) 130.13,62.22 128.98,62.22 87.45,20.7 87.45,12.94 85.47,10.95 54.19,10.95 v1(53.98,11.16)
Debug_LED0: length 18.3
  Top w0.157: v1(51.77,25.4) 53.78,25.4 56.43,28.05 56.43,30.02 57.4,30.99 R17.1
  In3.Cu w0.157: v1(48.04,23.72) 47.94,23.72 47.54,23.33 47.27,23.33 47.09,23.15 47.09,22.77 47.33,22.53 48.2,22.53 48.43,22.76 48.43,23.07 48.68,23.31 49.79,23.31 51.77,25.3 v1(51.77,25.4)
Debug_LED1: length 10.7
  Top w0.157: U3.N4 49.23,24.11 50.62,24.11 50.85,24.34 50.85,24.77 51,24.92 53.85,24.92 R18.1
EN: length 162.8
  In4.Cu w0.157: v1(87.9,32.56) 87.9,32.57 77.28,32.57 v1(77.27,32.56) ; v1(49.64,23.72) 64.49,23.72 v1(64.5,23.73)
  Bottom w0.157: v1(87.9,32.56) 98.35,43.01 98.35,120.46 96.97,121.84 78.09,121.84 73.7,126.23 ; v1(64.5,23.73) 70.53,23.73 75.36,28.56 75.36,31.35 76.55,32.54 77.25,32.54 v1(77.27,32.56)
GDK101_Rx: length 54.2
  Top w0.3: 81.17,33.68 59.45,11.96 v1(53.66,11.96)
  In4.Cu w0.157: v1(40.04,16.52) 40.45,16.93 40.45,17.48 40.68,17.71 49,17.71 49.25,17.47 49.25,17.16 49.48,16.92 49.8,16.92 51.85,14.87 51.85,14.05 53.35,12.55 53.35,12.26 53.65,11.96 v1(53.66,11.96)
GDK101_Tx: length 46.3
  Top w0.3: v1(53.85,12.54) 59.18,12.54 79.07,32.43 79.07,34.04 81.25,36.22
  In3.Cu w0.157: v1(48.04,15.72) 48.43,16.11 49,16.11 49.59,15.53 49.59,15.52 49.79,15.32 49.8,15.32 50.03,15.08 50.03,14.76 52.83,11.96 53.1,11.96 53.68,12.54 v1(53.85,12.54)
GPS_BAT: length 94.8
  Top w0.5: v2(80.22,107.74) 80.21,107.75 C60.2 77.04,107.49 GPS1.6
  In3.Cu w0.5: v2(140.49,100.53) v2(140.49,123.43) 107.21,123.43 91.52,107.74 v2(80.22,107.74)
GPS_PPS: length 38.1
  Top w0.5: R91.1 49.41,82.38 49.41,82.38 v2(50.32,82.38) ; GPS1.4 74.07,105.29 69.17,100.39 64.49,100.39 60.74,96.64 v2(60.74,96.59)
  Bottom w0.5: v2(50.32,82.38) 60.74,92.8 v2(60.74,96.59)
GPS_Rx: length 110.1
  Top w0.157: v1(75.67,100.1) 74.58,100.1 73.1,101.58 73.1,103.2 74.09,104.19 GPS1.3 ; 40.77,26.92 v1(40.74,26.95)
  In2.Cu w0.157: v1(50.82,35.09) 51.91,34 51.91,32.04 50.96,31.09 50.96,29.99 50.45,29.48 46.42,29.48 45.79,28.85 44.02,28.85 42.9,27.73 41.52,27.73 v1(40.74,26.95)
  In4.Cu w0.157: v1(75.67,100.1) 76.57,99.2 76.57,45 71.71,40.14 60.55,40.14 58.72,38.31 54.47,38.31 51.25,35.09 v1(50.82,35.09)
GPS_Tx: length 108.1
  Top w0.157: v1(75.67,100.82) 75.65,100.84 74.64,100.84 73.74,101.74 73.74,102.66 74.17,103.09 GPS1.2